# Altium PCB KK_Triangle_cubic_45.PcbDoc (part 2 of 2)
Units mil, origin at the board's own origin, x right, y up, seen from the top; angles counter-clockwise.
Board outline 3832.44 x 3832.44 mil, 4 copper layers (Top Layer, POWER, GND, Bottom Layer), stack 23.756 mil thick; 131 components, 100 nets, 491 pads, 151 vias.
Unrouted connection lines stored in the file: 340.
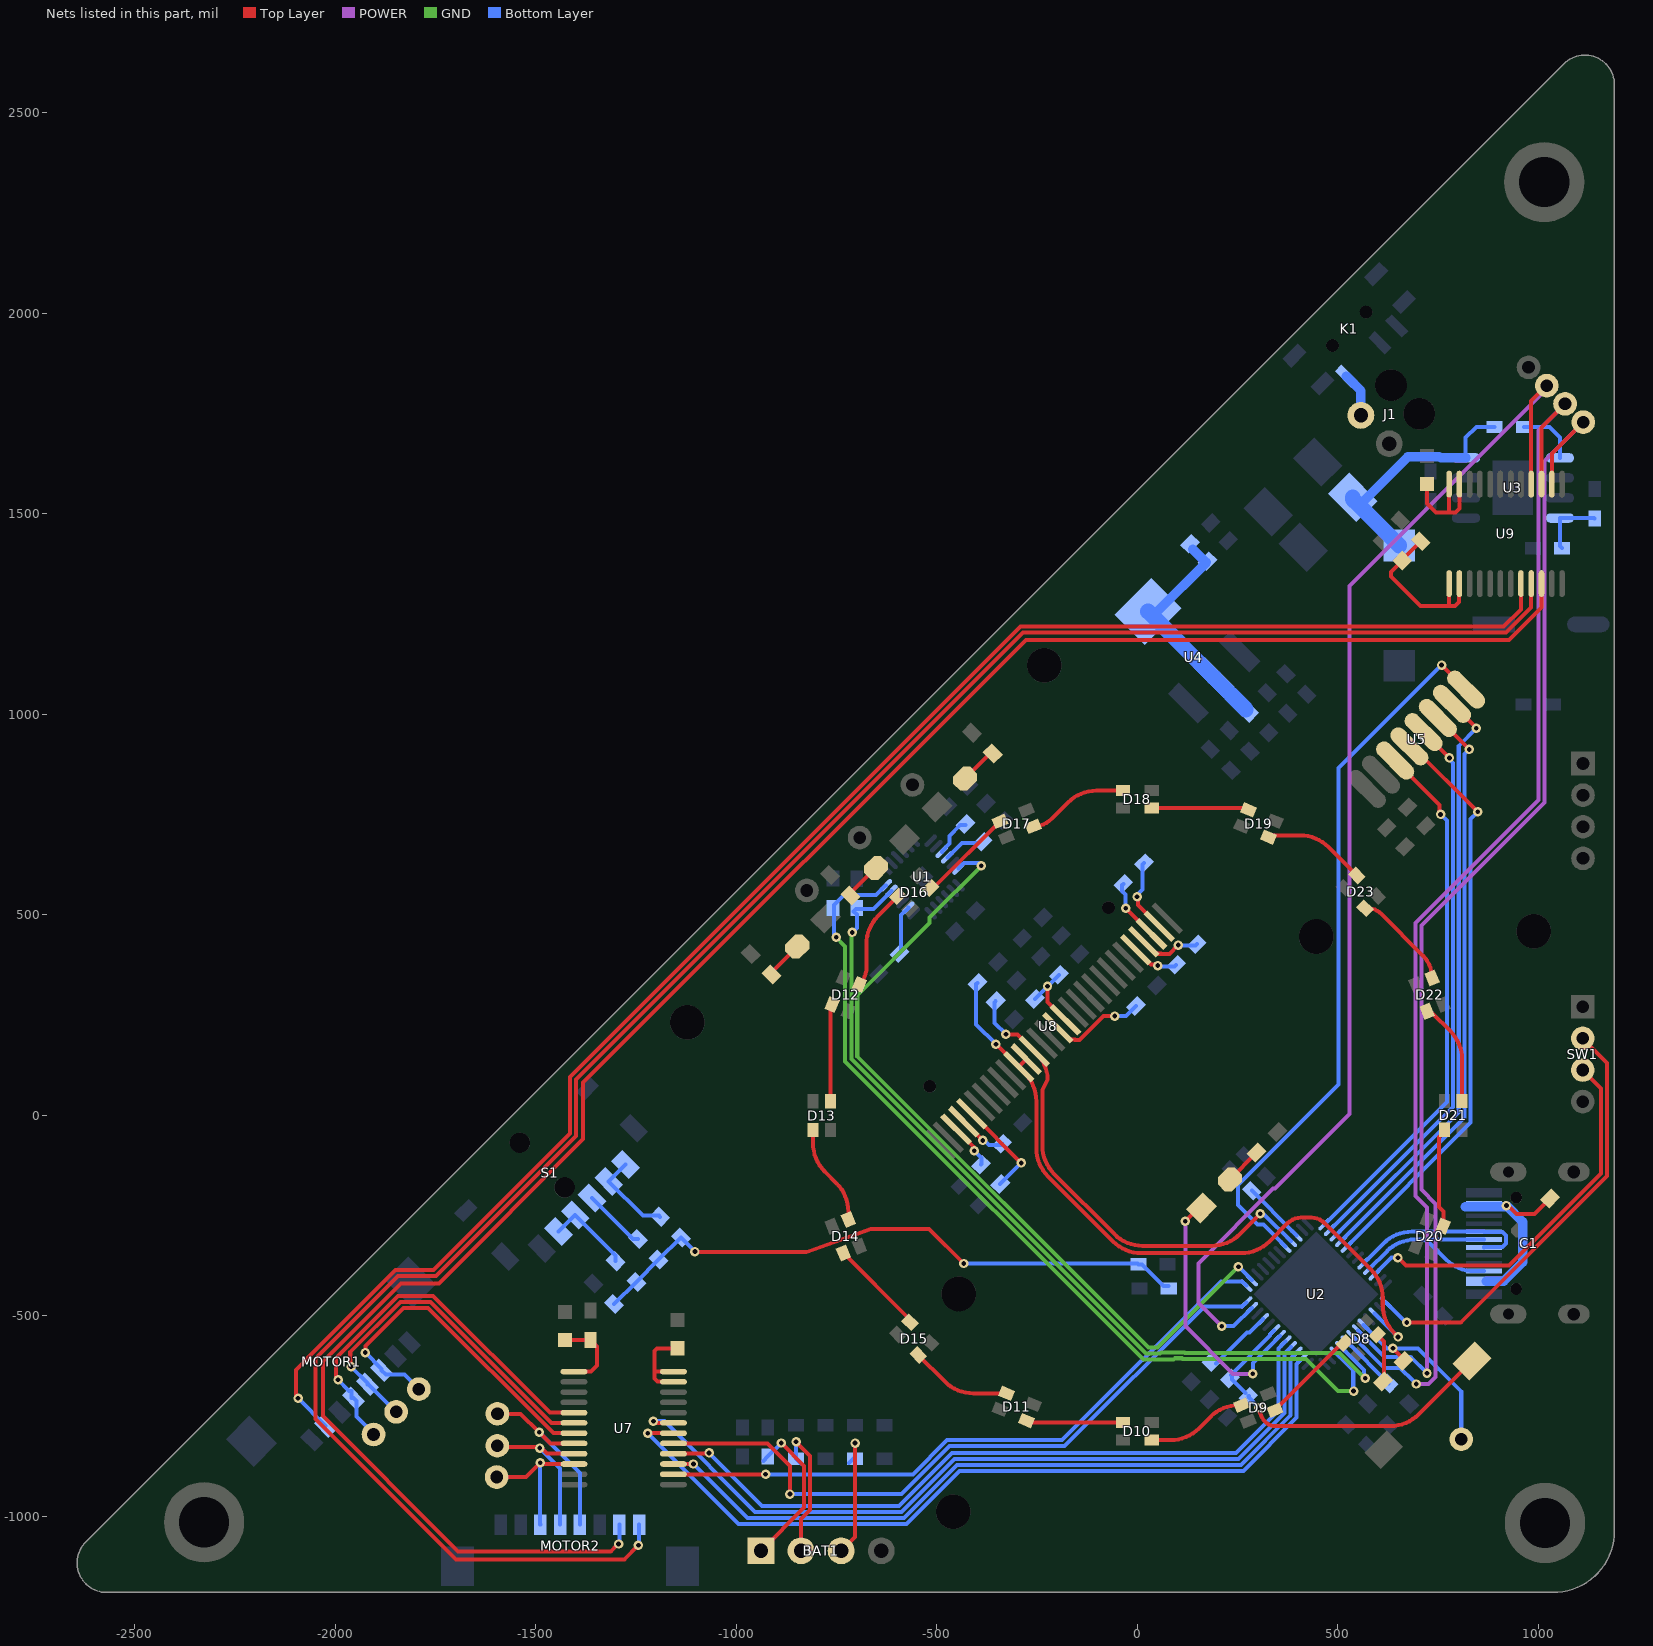
[diagram p4: the nets of this part, all layers, seen from the top]

## Via types
v1: diameter 23.62, hole 11.81, Top Layer to Bottom Layer, 126 vias
v2: diameter 19.68, hole 7.87, Top Layer to Bottom Layer, 25 vias

## Nets (pads, with @x,y where several pads share a name; then routed paths per layer and width w, separated by ;. In a path a pad name is that pad's centre, name@x,y a point inside that pad or via, vN(x,y) a via of type N, cw(c..) or ccw(c..) an arc to the next point about the centre after c; other vN are vias at no path point) (continued)
M1_B_3V3: M6.1 U2.11 U9.16 | length 3086.4
  Top Layer w10: U9.16@981.8,1573.58 981.8,1780.36 M6.1@1020.59,1819.15
  POWER w10: v1(210.01,-525.38) 152.03,-467.4 152.03,-368.78 338.43,-182.38 342.51,-182.38 528.92,4.02 528.92,1319.84 1020.59,1811.51 M6.1@1020.59,1819.15
  Bottom Layer w10: v1(210.01,-525.38) 240.19,-525.38 U2.11@285.35,-480.22
M1_B_5V: MOTOR1.2 U9.8 | length 4157.5
  Top Layer w10: v1(-2092.33,-704.99) -2097.99,-699.33 -2097.99,-634.27 -2056.97,-593.26 -1849.53,-385.82 -1754.78,-385.82 -1414.48,-45.52 -1414.48,95.9 -291.77,1218.61 913.14,1218.61 956.21,1261.68 U9.8@956.21,1325.55
  Bottom Layer w10: v1(-2092.33,-704.99) -2023.44,-773.88 MOTOR1.2@-2023.44,-774.69
M1_DIR_3V3: U2.2 U7.18 | length 2038.8
  Top Layer w10: v1(-1220.79,-792.28) U7.18@-1156.57,-792.28
  Bottom Layer w10: v1(-1220.79,-792.28) -994.84,-1018.23 -575.58,-1018.23 -458.91,-901.56 -443.31,-885.96 264.31,-885.96 396.57,-753.7 396.57,-619.66 410.62,-605.61 U2.2@410.62,-605.49
M1_DIR_5V: M9.1 MOTOR1.5 U7.6 | length 932.4
  Top Layer w10: v1@-1962.22,-624.38 -1962.22,-590.32 -1836.54,-464.64 -1762.32,-464.64 -1460.27,-766.69 U7.6@-1404.6,-766.69
  Bottom Layer w10: v1@-1962.22,-624.38 -1919.04,-667.55 MOTOR1.5@-1919.04,-670.29 -1916.3,-670.29 M9.1@-1847.67,-738.93
  other v1: -1960.1,-626.5
M1_PWM_3V3: U2.12 U7.17 | length 1719.4
  Top Layer w10: U7.17@-1156.57,-817.87 -921.81,-817.87 -866.21,-873.48 v1(-866.21,-943.99)
  Bottom Layer w10: v1(-866.21,-943.99) -587.61,-943.99 -468.26,-824.64 -181.17,-824.64 166.84,-476.63 261.1,-476.63 U2.12@271.43,-466.3
M1_PWM_5V: M5.1 MOTOR1.6 U7.7 | length 879
  Top Layer w10: v1(-1924.74,-591.14) -1924.74,-575.09 -1829.21,-479.56 -1768.5,-479.56 -1455.78,-792.28 U7.7@-1404.6,-792.28
  Bottom Layer w10: v1(-1924.74,-591.14) -1884.24,-631.64 MOTOR1.6@-1884.24,-635.49 -1873.44,-646.3 -1827.16,-646.3 M5.1@-1791.1,-682.36
M1_STOP_3V3: U2.4 U7.19 | length 1991
  Top Layer w10: v1(-1206.32,-762.26) -1201.89,-766.69 U7.19@-1156.57,-766.69
  Bottom Layer w10: v1(-1206.32,-762.26) -1179.23,-762.26 -953.1,-988.39 -588.54,-988.39 -456.26,-856.12 251.95,-856.12 366.73,-741.34 366.73,-593.82 382.78,-577.77 U2.4@382.78,-577.66
M1_STOP_5V: M12.1 MOTOR1.4 U7.5 | length 1013.9
  Top Layer w10: v1@-1997.58,-654.07 -1997.58,-604.58 -1842.72,-449.72 -1756.14,-449.72 -1464.76,-741.1 U7.5@-1404.6,-741.1
  Bottom Layer w10: v1@-1997.58,-654.07 v1(-1992.63,-659.02) -1964.94,-686.71 -1959.29,-686.71 -1959.29,-705.09 MOTOR1.4@-1953.84,-705.09 -1946.88,-712.05 -1946.88,-750.91 -1904.24,-793.56 M12.1@-1904.24,-795.5
M2_A_3V3: M8.1 U2.42 U9.15 | length 3023.7
  Top Layer w10: U9.15@1007.39,1573.59 1007.39,1714.97 M8.1@1066.08,1773.66
  POWER w10: v1(721.96,-642.76) 721.96,-230.19 693.08,-201.31 693.08,479.53 999.85,786.3 999.85,1707.43 M8.1@1066.08,1773.66
  Bottom Layer w10: U2.42@549.82,-535.9 616.19,-602.27 681.46,-602.27 v1(721.96,-642.76)
M2_A_5V: MOTOR2.1 U9.9 | length 5114.9
  Top Layer w10: v1(-1243.8,-1071.27) -1279.16,-1106.62 -1313.8,-1106.62 -1699.18,-1106.62 -2048.49,-757.31 -2048.49,-605.99 -1843.32,-400.82 -1748.56,-400.82 -1399.48,-51.73 -1399.48,89.69 -285.56,1203.61 919.35,1203.61 981.8,1266.06 U9.9@981.8,1325.55
  Bottom Layer w10: v1(-1243.8,-1071.27) -1242.13,-1069.6 MOTOR2.1@-1242.13,-1020.45
M2_B_3V3: M10.1 U2.43 U9.14 | length 3007.6
  Top Layer w10: U9.14@1032.98,1573.58 1032.98,1649.58 M10.1@1111.57,1728.17
  POWER w10: v1(695.09,-669.63) 699.9,-669.63 725.82,-669.63 743.69,-651.76 743.69,-220.39 708,-184.71 708,473.35 1014.77,780.12 1014.77,1631.37 M10.1@1111.57,1728.17 ; v1@699.9,-674.45 v1@702.54,-671.81
  Bottom Layer w10: U2.43@535.9,-549.82 615.41,-629.32 654.78,-629.32 v1@688.01,-662.56
M2_B_5V: MOTOR2.2 U9.10 | length 5028.2
  Top Layer w10: v1(-1293.3,-1068.44) -1295.9,-1071.04 -1297.05,-1071.04 -1312.83,-1086.82 -1693.52,-1086.82 -1706.96,-1073.39 -2030.49,-749.86 -2030.49,-613.45 -1835.86,-418.82 -1741.11,-418.82 -1381.48,-59.19 -1381.48,82.23 -278.1,1185.61 926.81,1185.61 1007.39,1266.19 U9.10@1007.39,1325.55
  Bottom Layer w10: v1(-1293.3,-1068.44) -1291.35,-1066.49 MOTOR2.2@-1291.35,-1020.45
M2_DIR_3V3: U2.3 U7.15 | length 1862
  Top Layer w10: U7.15@-1156.57,-869.05 v1(-1106.6,-869.05)
  Bottom Layer w10: v1(-1106.6,-869.05) -972.34,-1003.31 -582.36,-1003.31 -450.08,-871.04 258.13,-871.04 381.65,-747.52 381.65,-606.74 396.7,-591.69 U2.3@396.7,-591.58
M2_DIR_5V: M11.1 MOTOR2.5 U7.9 | length 411.2
  Top Layer w10: M11.1@-1595.47,-823.54 -1592.18,-826.83 -1488.79,-826.83 -1472.16,-843.46 U7.9@-1404.6,-843.46
  Bottom Layer w10: v1(-1489.87,-829.44) -1438.98,-880.33 MOTOR2.5@-1438.98,-1020.45
M2_PWM_3V3: U2.13 U7.14 | length 1631.3
  Top Layer w10: U7.14@-1156.57,-894.64 v1(-926.86,-894.64)
  Bottom Layer w10: v1(-926.86,-894.64) -559.48,-894.64 -474.47,-809.64 -187.38,-809.64 208.04,-414.21 261.1,-414.21 U2.13@271.43,-424.54
M2_PWM_5V: M7.1 MOTOR2.6 U7.10 | length 361.2
  Top Layer w10: M7.1@-1597.35,-901.56 -1523.82,-901.56 -1491.31,-869.05 U7.10@-1404.6,-869.05
  Bottom Layer w10: v1(-1488.46,-866.21) -1489.17,-866.91 -1489.17,-1019.48 MOTOR2.6@-1488.2,-1020.45
M2_STOP_3V3: U2.5 U7.16 | length 1841.1
  Top Layer w10: U7.16@-1156.57,-843.46 -1155.85,-842.74 -1069.01,-842.74 v1(-1067.73,-841.46)
  Bottom Layer w10: v1(-1067.73,-841.46) -935.72,-973.47 -594.72,-973.47 -462.44,-841.2 245.77,-841.2 351.81,-735.16 351.81,-580.79 U2.5@368.86,-563.74
M2_STOP_5V: M13.1 MOTOR2.4 U7.8 | length 493.9
  Top Layer w10: M13.1@-1595.23,-743.88 -1537.25,-743.88 v1(-1491.29,-789.84) -1463.25,-817.87 U7.8@-1404.6,-817.87
  Bottom Layer w10: v1(-1491.29,-789.84) -1389.77,-891.35 MOTOR2.4@-1389.77,-1020.45
MCU_STAT: D1.1 U2.6 | length 664.3
  Top Layer w10: v1(119.5,-263.75) 137.18,-246.07 137.18,-230.52 D1.1@159.8,-230.52
  POWER w10: v1(119.5,-263.75) 119.5,-525 238.67,-644.17 v1(287.79,-644.17)
  Bottom Layer w10: v1(287.79,-644.17) 287.79,-616.97 U2.6@354.95,-549.82
MPU6050_INT: U1.12 U2.14 | length 2051
  GND w10: v1(-388.91,622.25) -517.79,493.37 -517.79,479.61 -698.33,299.07 -698.33,146.67 27.31,-578.97 50.36,-578.97 v1(252.03,-377.3)
  Bottom Layer w10: U1.12@-445.9,615.35 -431.93,629.33 -395.98,629.33 v1(-388.91,622.25) ; v1(252.03,-377.3) U2.14@285.35,-410.62
MPU6050_SCL: R5.1 U1.23 U2.45 | length 2209.9
  GND w10: v1(-710.64,456.08) -713.25,453.48 -713.25,140.49 21.13,-593.89 56.54,-593.89 59.92,-590.51 117.67,-590.51 119.13,-591.96 504.28,-591.96 v1(567.81,-655.49)
  Bottom Layer w10: v1(-710.64,456.08) -699.36,467.37 -699.36,500.22 -707.81,508.68 -701.45,515.04 -657.56,515.04 -613.42,559.18 -612.93,559.18 U1.23@-612.93,559.67 ; U2.45@508.06,-577.66 565.2,-634.8 565.2,-652.88 v1(567.81,-655.49)
MPU6050_SDA: R10.1 U1.24 U2.46 | length 2276.5
  GND w10: v1(-750.95,444.06) -728.32,421.44 -728.32,134.46 14.95,-608.81 90.11,-608.81 93.49,-605.43 111.49,-605.43 112.95,-606.89 419.83,-606.89 500.25,-687.31 v1(538.82,-687.31)
  Bottom Layer w10: v1(-750.95,444.06) -756.6,449.72 -756.6,524.67 -731.79,549.49 -651.45,549.49 -627.34,573.59 U1.24@-626.85,573.59 ; U2.46@494.14,-591.58 538.11,-635.54 538.11,-686.6 v1(538.82,-687.31)
NetBAT1_1: BAT1.1 R2.2 | length 410.4
  Top Layer w10: BAT1.1@-938.42,-1085.41 -830.69,-977.67 -830.69,-873.68 v1(-887.66,-816.71)
  Bottom Layer w10: BAT1.1@-938.42,-1085.41 BAT1.1@-932.3,-1079.28 ; R2.2@-932.3,-861.35 R2.2@-921.55,-850.6 v1(-887.66,-816.71) v1@-887.66,-815.05
NetBAT1_2: BAT1.2 R6.2 | length 355
  Top Layer w10: v1(-850.82,-813.71) -815.77,-848.76 -815.77,-983.86 -838.42,-1006.51 BAT1.2@-838.42,-1085.41
  Bottom Layer w10: v1(-850.82,-813.71) R6.2@-850.82,-855.6 R6.2@-838.42,-867.99
NetBAT1_3: BAT1.3 R8.2 | length 340.9
  Top Layer w10: BAT1.3@-738.42,-1085.41 -703.82,-1050.8 v1(-703.82,-816.95)
  Bottom Layer w10: R8.2@-718.82,-866.35 -708.07,-855.6 R8.2@-703.82,-855.6 v1(-703.82,-816.95)
NetC2_1: C2.1 U1.20 | length 122.8
  Bottom Layer w10: C2.1@-592.91,404.11 -589.37,407.65 -589.37,499.23 -571.18,517.42 U1.20@-571.18,517.91
NetC6_1: C6.1 D4.K L1.1 U3.8 | length 624.7
  Bottom Layer w10: U3.8@818.12,1648.38 818.12,1689.28 844.99,1716.15 C6.1@890.52,1716.15
  Bottom Layer w23.62: D4.K@537.07,1540.41 545.91,1531.57 564.25,1531.57 674.54,1641.86 753.08,1641.86 755.82,1639.12 U3.8@819.21,1639.12
  Bottom Layer w39.37: D4.K@537.07,1540.41 537.07,1536.26 553,1520.33 L1.1@652.66,1420.67
NetC6_2: C6.2 U3.1 | length 151.6
  Bottom Layer w10: C6.2@963.52,1716.15 1027.43,1716.15 1053.21,1690.37 U3.1@1053.21,1639.12
NetC8_2: C8.2 U1.10 | length 89.4
  Bottom Layer w10: U1.10@-473.74,643.19 -473.25,643.19 -437.19,679.25 C8.2@-399.24,679.25
NetC11_1: C11.1 U2.22 | length 157.6
  Bottom Layer w10: C11.1@285.25,-187.81 386.38,-288.94 U2.22@396.7,-299.27
NetC17_2: C17.2 R19.1 R25.1 R26.1 R27.1 R28.2 | length 1535.2
  Top Layer w10: v1(-1103.09,-339.41) -1101.37,-341.13 -825.6,-341.13 -664.68,-282.84 -519.24,-282.84 v1(-432.86,-369.22)
  Bottom Layer w10: R19.1@-1304.26,-470.59 R27.1@-1248.85,-415.17 R26.1@-1193.44,-359.76 R25.1@-1138.02,-304.34 -1138.02,-304.48 v1(-1103.09,-339.41) ; v1(-432.86,-369.22) 0.38,-369.22 R28.2@2.39,-371.23 12.02,-371.23 65.5,-424.71 C17.2@77.78,-424.71
NetC22_1: C22.1 C23.1 FB2.1 U4.2 U4.4 | length 589.6
  Bottom Layer w23.62: U4.4@26.77,1255.92 49.6,1255.92 172.18,1378.51 170.76,1378.51 C23.1@137.53,1411.74
  Bottom Layer w39.37: U4.4@26.77,1255.92 U4.2@191.02,1091.67 270.36,1012.33 FB2.1@270.36,1011.85
NetC30_2: C30.2 FB3.1 U7.1 | length 197.6
  Top Layer w10: FB3.1@-1426.78,-560.08 -1364.28,-560.08 C30.2@-1363.78,-559.58 -1347.04,-576.32 -1347.04,-622.96 -1362.09,-638.01 -1403.88,-638.01 U7.1@-1404.6,-638.74
NetC32_2: C32.2 FB5.1 U9.1 U9.2 | length 424.8
  Top Layer w10: C32.2@706.75,1431.54 660.44,1385.22 FB5.1@660.44,1383.1 632.15,1354.82 632.15,1343.5 705.69,1269.96 791.96,1269.96 801.94,1279.95 801.94,1324.83 U9.2@802.67,1325.55 ; 777.08,1269.96 U9.1@777.08,1325.55
NetC35_1: C35.1 U8.27 | length 120.6
  Top Layer w10: U8.27@-432.52,-15.33 v1(-385.36,-62.5)
  Bottom Layer w10: v1(-385.36,-62.5) -381.67,-62.5 -370.27,-73.89 -341.18,-73.89 C35.1@-337.64,-70.36
NetC36_1: C36.1 U8.2 | length 187.3
  Top Layer w10: v1(-0.71,545.18) 1.9,542.57 1.9,524.52 U8.2@54.61,471.81
  Bottom Layer w10: v1(-0.71,545.18) -0.71,548.87 13.08,562.65 13.08,625.44 C36.1@16.62,628.97
NetC36_2: C36.2 U8.3 | length 157
  Top Layer w10: v1(-29.22,516.67) U8.3@35.13,452.32
  Bottom Layer w10: C36.2@-35,577.35 -38.54,573.82 -38.54,559.68 -29.22,550.36 v1(-29.22,516.67)
NetC37_1: C37.1 U8.4 | length 156.1
  Top Layer w10: U8.4@15.64,432.84 45.55,402.93 58.95,402.93 59.15,402.73 79.87,402.73 v1(101.78,424.64)
  Bottom Layer w10: v1(101.78,424.64) 103.21,423.2 144.6,423.2 C37.1@148.14,426.74
NetC37_2: C37.2 U8.5 | length 119.1
  Top Layer w10: U8.5@-3.84,413.35 33.34,376.17 48.1,376.17 v1(50.7,373.56)
  Bottom Layer w10: v1(50.7,373.56) 52.68,371.58 92.98,371.58 C37.2@96.52,375.12
NetC38_1: C38.1 U8.28 | length 115.1
  Top Layer w10: U8.28@-452.05,-34.77 -409.17,-77.65 -409.17,-85.8 v1(-406.57,-88.41)
  Bottom Layer w10: v1(-406.57,-88.41) -388.2,-106.77 -388.2,-120.92 C38.1@-389.97,-122.68
NetD1_2: D1.2 R1.2 | length 94.5
  Top Layer w10: D1.2@230.52,-159.81 R1.2@297.34,-92.99
NetD5_2: D5.2 R15.2 | length 105.7
  Top Layer w10: D5.2@-429.92,840.04 -367.7,902.27 R15.2@-360.62,902.27 ; R15.2@-370.6,901.48 R15.2@-370.6,912.09
NetD6_2: D6.2 R16.2 | length 72.6
  Top Layer w10: R16.2@-723.72,556.85 -713.12,556.85 D6.2@-669.28,600.69
NetD7_2: D7.2 R17.2 | length 96.7
  Top Layer w10: R17.2@-912.17,350.73 -912.17,356.38 D7.2@-847.82,420.73
NetD8_1: D8.1 D9.3 | length 242.2
  Top Layer w10: D9.3@342.8,-734.54 505.42,-571.92 cw(c516.42,-582.92) D8.1@516.42,-567.36
NetD9_1: D9.1 D10.3 | length 251.2
  Top Layer w10: D10.3@36.02,-809.37 82.59,-809.37 ccw(c82.59,-709.37) 153.3,-780.08 181.99,-751.39 cw(c252.7,-822.1) 252.7,-722.1 D9.1@259.66,-722.1
NetD10_1: D10.1 D11.3 | length 241.6
  Top Layer w10: D11.3@-276.23,-760.7 ccw(c-263.28,-747.74) -263.28,-766.06 D10.1@-36.02,-766.06
NetD11_1: D11.1 D15.3 | length 255.5
  Top Layer w10: D15.3@-546.33,-597.28 -479.78,-663.83 ccw(c-409.07,-593.11) -409.07,-693.11 D11.1@-326.22,-693.11
NetD12_1: D12.1 D16.3 | length 253
  Top Layer w10: D12.1@-693.11,326.22 ccw(c-736.16,369.26) -675.29,369.26 -675.29,427.8 cw(c-577.46,427.8) -646.63,496.98 D16.3@-597.28,546.33
NetD12_3: D12.3 D13.1 | length 242.2
  Top Layer w10: D13.1@-765.36,35.32 -765.36,264.98 cw(c-749.45,264.98) D12.3@-760.7,276.23
NetD13_3: D13.3 D14.1 | length 250.8
  Top Layer w10: D13.3@-808.66,-36.73 -808.66,-69.15 ccw(c-708.66,-69.15) -779.37,-139.86 ; -779.37,-139.86 -749.98,-169.26 cw(c-820.69,-239.97) -720.69,-239.97 D14.1@-720.69,-259.66
NetD14_3: D14.3 D15.1 | length 241.2
  Top Layer w10: D14.3@-733.13,-342.8 -571.21,-504.71 cw(c-582.21,-515.71) D15.1@-566.65,-515.71
NetD16_1: D16.1 D17.3 | length 241.2
  Top Layer w10: D16.1@-515.71,566.65 ccw(c-515.71,582.21) -504.71,571.21 D17.3@-342.8,733.13
NetD17_1: D17.1 D18.3 | length 253.2
  Top Layer w10: D17.1@-259.66,720.69 ccw(c-259.66,786.27) -213.29,739.9 -173.1,780.08 cw(c-102.39,709.37) -102.39,809.37 D18.3@-36.02,809.37
NetD18_1: D18.1 D19.3 | length 242.2
  Top Layer w10: D18.1@36.02,766.06 265.69,766.06 cw(c265.69,750.15) D19.3@276.94,761.4
NetD19_1: D19.1 D23.3 | length 258.3
  Top Layer w10: D19.1@326.93,693.82 cw(c336.8,683.95) 336.8,697.91 405.69,697.91 cw(c405.69,597.91) 476.4,668.62 D23.3@547.04,597.98
NetD20_3: D20.3 D21.1 | length 253.2
  Top Layer w10: D20.3@762.11,-276.23 ccw(c752.57,-266.69) 766.06,-266.69 762.97,-263.6 762.97,-239.59 751.72,-228.33 751.72,-54.31 766.06,-39.96 D21.1@766.06,-36.02
NetD21_3: D21.3 D22.1 | length 259.4
  Top Layer w10: D22.1@722.1,259.66 cw(c722.1,239.89) 736.08,253.87 780.08,209.87 cw(c709.37,139.16) 809.37,139.16 D21.3@809.37,36.02
NetD22_3: D22.3 D23.1 | length 252.8
  Top Layer w10: D23.1@567.36,516.42 573.42,516.42 cw(c573.42,467.35) 608.11,502.05 711.33,398.83 cw(c655.3,342.8) D22.3@734.54,342.8
NetFB1_2: FB1.2 U2.9 | length 163.5
  Bottom Layer w10: FB1.2@195.48,-618.63 241.99,-572.12 242.39,-572.12 272.83,-541.68 279.56,-541.68 U2.9@313.19,-508.06
NetFB4_1: FB4.1 U7.23 U7.24 | length 225.9
  Top Layer w10: -1203.5,-638.02 -1157.29,-638.02 U7.24@-1156.57,-638.74 ; U7.23@-1156.57,-664.33 -1157.3,-663.61 -1195.88,-663.61 -1203.5,-655.99 -1203.5,-586.9 -1197.13,-580.53 FB4.1@-1146.93,-580.53
NetFB6_1: FB6.1 U9.23 U9.24 | length 268.4
  Top Layer w10: FB6.1@721.96,1573.67 721.96,1525.23 743.88,1503.31 793.37,1503.31 802.67,1512.6 U9.23@802.67,1573.59 ; 777.08,1508.29 U9.24@777.08,1573.58
NetJ1_2: J1.2 K1.1 | length 112.4
  Bottom Layer w23.62: K1.1@521.14,1842.6 557.2,1806.54 J1.2@557.2,1745.14
NetR4_1: R4.1 U2.44 | length 147.2
  Bottom Layer w10: U2.44@521.98,-563.74 R4.1@626.09,-667.85
NetR12_2: R12.2 U1.9 | length 98.4
  Bottom Layer w10: U1.9@-487.66,657.11 -487.66,657.6 -467.92,677.34 -467.92,697.02 -441.58,723.35 R12.2@-428.49,723.35
NetR13_1: R13.1 R14.2 U3.4 | length 164.4
  Bottom Layer w10: R13.1@1058.98,1414.21 1053.21,1419.98 U3.4@1053.21,1489.12 1138.76,1489.12 R14.2@1139.86,1488.02
NetR21_1: R21.1 U8.26 | length 248.3
  Top Layer w10: U8.26@-413.04,4.16 -412.16,4.16 v1(-289.56,-118.44)
  Bottom Layer w10: R21.1@-341.89,-170.77 v1(-289.56,-118.44)
NetR22_2: R22.2 U8.15 | length 242.9
  Top Layer w10: U8.15@-198.7,218.5 -168.79,188.59 -155.39,188.59 -155.19,188.39 -144.03,188.39 -84.93,247.49 v1(-56.57,247.49)
  Bottom Layer w10: v1(-56.57,247.49) -28.28,247.49 R22.2@-3.18,272.59
NetR25_2: R25.2 S1.f S1.g | length 223.9
  Bottom Layer w10: S1.g@-1276.19,-122.65 S1.f@-1317.94,-164.4 -1232.63,-249.72 -1192.65,-249.72 R25.2@-1189.64,-252.72
NetR26_2: R26.2 S1.e | length 156.9
  Bottom Layer w10: S1.e@-1359.7,-206.16 -1257.73,-308.14 R26.2@-1245.05,-308.14
NetR27_2: R27.2 S1.c S1.d | length 216.5
  Bottom Layer w10: S1.c@-1443.22,-289.68 S1.d@-1401.46,-247.92 -1300.47,-348.91 R27.2@-1300.47,-363.55
NRF_CE: U2.25 U5.3 | length 1335.6
  Top Layer w10: U5.3@642.76,884.59 753.29,774.06 753.29,752.85 v1(755.9,750.24)
  Bottom Layer w10: U2.25@466.3,-271.43 771.27,33.54 771.27,734.87 v1(755.9,750.24)
NRF_IRQ: U2.20 U5.8 | length 1804
  Top Layer w10: v1(758.31,1122.6) U5.8@819.54,1061.37
  Bottom Layer w10: U2.20@368.86,-327.11 314.25,-272.49 299.85,-272.49 250.58,-223.22 250.58,-173.69 501.59,77.33 501.59,865.88 v1(758.31,1122.6)
NRF_MISO: U2.27 U5.7 | length 1495.8
  Top Layer w10: U5.7@784.18,1026.01 v1(844.99,965.2)
  Bottom Layer w10: U2.27@494.14,-299.27 801.11,7.7 801.11,921.32 v1(844.99,965.2)
NRF_MOSI: U2.28 U5.6 | length 1468.6
  Top Layer w10: U5.6@748.83,990.66 v1(827.31,912.17)
  Bottom Layer w10: U2.28@508.06,-313.19 816.03,-5.22 816.03,900.88 v1(827.31,912.17)
NRF_NSS: U2.29 U5.4 | length 1457
  Top Layer w10: U5.4@678.12,919.95 685.19,919.95 v1(848.53,756.6)
  Bottom Layer w10: U2.29@521.98,-327.11 830.95,-18.13 830.95,739.03 v1(848.53,756.6)
NRF_SCLK: U2.26 U5.5 | length 1397.5
  Top Layer w10: U5.5@713.47,955.3 v1(777.82,890.95)
  Bottom Layer w10: U2.26@480.22,-285.35 786.19,20.62 786.19,878.9 777.82,887.27 v1(777.82,890.95)
NRST: C4.2 R11.1 S2.1 U2.7 | length 876.6
  Top Layer w10: v1@300.52,-724.78 304.06,-728.32 ccw(c354.37,-728.32) 318.79,-763.9 319.51,-764.62 ccw(c342.84,-741.29) 342.84,-774.28 630.81,-774.28 ccw(c630.81,-674.28) 701.52,-744.99 S2.1@834.49,-612.02
  Bottom Layer w10: R11.1@232.97,-646.85 330.7,-549.12 330.7,-546.23 U2.7@341.03,-535.9 ; R11.1@236.2,-652.57 236.2,-658.72 C4.2@269.26,-691.78 ; C4.2@277.09,-701.36 cw(c280.05,-701.36) 277.96,-699.26 277.96,-703.51 302.07,-727.62 v1(302.07,-728.89)
OLED_SCL: R23.2 U2.21 U8.18 | length 1227.5
  Top Layer w10: v1(-327.8,202.53) -326.47,201.19 -298.3,201.19 U8.18@-257.15,160.04 -250.06,152.94 cw(c-313.62,89.38) -223.73,89.38 -236.88,62.63 -236.88,-75.25 ccw(c-136.88,-75.25) -207.59,-145.96 -57.57,-295.98 ccw(c13.14,-225.27) 13.14,-325.27 184.85,-325.27 ccw(c184.85,-225.27) 255.56,-295.98 v1(306.39,-245.15)
  Bottom Layer w10: R23.2@-353.12,284.54 -356.13,281.53 -356.13,230.86 v1(-327.8,202.53) ; v1(306.39,-245.15) 309,-247.76 317.35,-247.76 U2.21@382.78,-313.19
OLED_SDA: R24.2 U2.39 U8.19 U8.20 | length 1808.3
  Top Layer w10: v1(-352.69,177.64) U8.20@-296.12,121.07 ; U8.19@-276.64,140.55 U8.20@-296.12,121.07 ; v1(649.91,-552.17) 640.94,-543.19 cw(c711.65,-472.48) 611.65,-472.48 611.65,-455.08 ccw(c511.65,-455.08) 582.36,-384.37 466.69,-268.7 ccw(c433.87,-301.52) 433.87,-255.11 407.59,-255.11 ccw(c407.59,-301.52) 374.77,-268.7 329.44,-314.03 cw(c258.73,-243.32) 258.73,-343.32 9.97,-343.32 cw(c9.97,-243.32) -60.74,-314.03 -222.76,-152.01 cw(c-152.05,-81.3) -252.05,-81.3 -252.05,35.57 ccw(c-352.05,35.57) -281.34,106.28 U8.20@-296.12,121.07
  Bottom Layer w10: R24.2@-399.01,330.42 -402.02,327.41 -402.02,226.96 v1(-352.69,177.64) ; U2.39@591.58,-494.14 591.69,-494.14 649.72,-552.17 v1(649.91,-552.17)
RES: C31.2 R20.1 U8.14 | length 187.4
  Top Layer w10: v1(-224.07,321.81) -224.07,282.84 U8.14@-179.21,237.98
  Bottom Layer w10: R20.1@-255.62,290.27 v1(-224.07,321.81) C31.2@-195.52,350.37
RGB_3V3: R18.2 RGB_IO.1 U2.41 | length 476.7
  Top Layer w10: v1(637.1,-580.53) 658.67,-602.1 658.67,-612 R18.2@663.62,-612
  Bottom Layer w10: U2.41@563.74,-521.98 622.29,-580.53 v1(637.1,-580.53) 699.33,-580.53 807.33,-688.53 RGB_IO.1@807.33,-807.33
RGB_DIN: D8.3 R18.1 | length 123.9
  Top Layer w10: D8.3@599.14,-547.52 615.01,-563.39 615.01,-660.61 R18.1@612,-663.62
SWCLK: SW1.2 U2.37 | length 1091.9
  Top Layer w10: v1(671.75,-516.19) 806.1,-516.19 1171.12,-151.17 1171.12,130.92 SW1.2@1110.16,191.88
  Bottom Layer w10: U2.37@619.41,-466.3 619.53,-466.3 669.41,-516.19 v1(671.75,-516.19)
SWDIO: SW1.3 U2.34 | length 962.3
  Top Layer w10: v1(649.48,-354.61) 669.22,-374.36 926.72,-374.36 1156.12,-144.96 1156.12,67.18 SW1.3@1110.16,113.14
  Bottom Layer w10: U2.34@591.58,-396.7 633.67,-354.61 v1(649.48,-354.61)
USB_DM: C1.A7 C1.B7 U2.32 | length 466.2
  Bottom Layer w10: U2.32@563.74,-368.86 613.53,-319.07 cw(c684.25,-389.78) 684.25,-289.78 C1.B7@863.59,-289.78 864.49,-290.68 909.74,-290.68 918.51,-299.45 918.51,-319.48 909.75,-328.24 864.49,-328.24 C1.A7@863.59,-329.15
USB_DP: C1.A6 C1.B5 U2.33 | length 496.9
  Bottom Layer w10: U2.33@577.66,-382.78 621.68,-338.76 cw(c692.39,-409.47) 692.39,-309.47 705.45,-309.47 ; C1.B5@863.59,-388.21 839.75,-388.21 cw(c839.75,-288.21) 769.04,-358.92 729.59,-319.47 ccw(c705.45,-343.61) 705.48,-309.47 C1.A6@863.59,-309.47
VBUS: C1.A4 C1.A9 C1.B4 C1.B9 D3.A | length 506
  Top Layer w9.65: v1(920.04,-224.9) 923.82,-224.9 944.99,-246.07 989.95,-246.07 D3.A@1028.92,-207.1
  Bottom Layer w23.62: 817.69,-227.78 917.16,-227.78 v1(920.04,-224.9) 960.51,-265.37 960.51,-365.85 912.71,-413.66 C1.B4@869.35,-413.66
pads on no net: C1. C1.A5 C1.A8 C1.B6 C1.B8 D20.1 J1. K1. M14.1 M15.1 M16.1 M17.1 M18.1 M19.1 MOTOR1.0 MOTOR2.0 S1. U1.2 U1.3 U1.4 U1.5 U1.6 U1.7 U1.14 U1.15 U1.16 U1.17 U1.19 U1.21 U1.22 U1.25 U2.15 U2.38 U2.40 U2.49 U3.2 U3.3 U3.5 U7.3 U7.4 U7.20 U7.21 U8. U8.7 U8.13 U9.3 U9.4 U9.5 U9.6 U9.18 U9.19 U9.20 U9.21
copper on no net:
  other v2: 445.42,-567.91 414.8,-537.29 476.04,-537.29 384.18,-506.67 445.42,-506.67 506.67,-506.67 353.55,-476.04 414.8,-476.04 476.04,-476.04 537.29,-476.04 322.93,-445.42 384.18,-445.42 445.42,-445.42 506.67,-445.42 567.91,-445.42 353.55,-414.8 414.8,-414.8 476.04,-414.8 537.29,-414.8 384.18,-384.18 445.42,-384.18 506.67,-384.18 414.8,-353.55 476.04,-353.55 445.42,-322.93

## Polygon pours and split planes (outlines as drawn)
GND on Bottom Layer "NONET_L-01_P-001" (solid, remove dead copper, pour order 54): 1199.25,2609.22 1129.96,2684.18 1086.12,2648.82 -2680.64,-1110.86 -2629.73,-1201.37 1152.58,-1197.84 1197.13,-1133.49
+3.3 on Bottom Layer "NONET_L-01_P-001" (solid, remove dead copper, pour order 52): 409.06,1099.2 278.6,968.74 278.6,950.35 365.57,863.38 391.03,863.38 395.27,867.62 521.84,994.19 519.02,1033.79 445.83,1104.85
+5 on Bottom Layer "NONET_L-01_P-001" (solid, remove dead copper, pour order 50): 271.53,957.42 165.46,851.36 120.21,851.36 -7.78,979.34 -7.78,1030.25 81.32,1119.35 127.99,1119.35 270.11,977.22
+5 on Bottom Layer "NONET_L-01_P-001" (solid, remove dead copper, pour order 48): 1021.9,1451.69 1021.9,1168.98 880.35,1027.43 576.29,1027.43 499.22,1104.5 499.22,1179.45 503.46,1183.7 771.45,1451.69 870.45,1451.69
+12 on Bottom Layer "NONET_L-01_P-001" (solid, remove dead copper, pour order 40): -1581.99,-1066.44 -1565.8,-1050.25 -1565.8,-985.44 -1581.8,-969.44 -1639.8,-969.44 -1653.8,-983.44 -1653.8,-1048.44 -1635.8,-1066.44
+12 on Bottom Layer "NONET_L-01_P-001" (solid, remove dead copper, pour order 38): -1847.54,-532.32 -1847.54,-555.21 -1801.71,-601.04 -1779.08,-601.04 -1738.07,-560.03 -1738.07,-540.23 -1784.03,-494.27 -1809.49,-494.27
+3.3 on Bottom Layer "NONET_L-01_P-001" (solid, remove dead copper, pour order 18): -454.67,514.07 -411.54,557.2 -349.31,557.2 -153.44,361.33 -153.44,325.98 -344.36,135.06 -368.4,135.06 -454.67,221.32
+5 on Bottom Layer "NONET_L-01_P-001" (solid, remove dead copper, pour order 16): -535.99,425.68
no net on Bottom Layer "NONET_L-01_P-001" (solid, remove dead copper, pour order 0): 732.56,1677.26
+5 on POWER "NONET_L-01_P-001" (solid, remove dead copper, pour order 42): 1194.3,2518.01 1194.3,2604.27 1150.46,2648.11 1079.75,2648.11 1079.75,2641.04 -2722.36,-1161.07 -2694.15,-1189.28 1113.06,-1189.28 1190.77,-1111.57 1190.77,-1080.46
+12 on POWER "NONET_L-01_P-001" (solid, remove dead copper, pour order 36): 731.15,1665.24 731.15,1623.52 -1493.41,-601.04 -1493.41,-1035.2 -1532.3,-1074.1 -1619.98,-1074.1 -1964.34,-729.73 -1964.34,-589.73 -1695.64,-321.03 -1493.41,-321.03 583.36,1755.75 636.58,1755.75
GND on Top Layer "NONET_L-01_P-001" (solid, remove dead copper, pour order 46): -2606.4,-1049.35 -2612.05,-1049.35 -2742.87,-1180.16 -2727.31,-1195.72 1116.52,-1195.72 1194.3,-1117.94 1194.3,2642.46 1153.29,2642.46 1122.89,2672.86 1111.57,2661.55 1096.02,2661.55
+3.3 on GND "NONET_L-01_P-001" (solid, remove dead copper, pour order 56): 1196.42,2621.95 1154,2621.95 1092.48,2683.47 -2667.91,-1076.92 -2667.91,-1146.22 -2665.09,-1146.22 -2592.96,-1218.35 -2575.28,-1200.67 1200.67,-1200.67

## Keep-outs
Keep-Out Layer:
  circle w0: c0,0 r224.41
  lines w0: 1047.85,-1189.28 ccw(c1035.13,-1035.13) 1189.28,-1047.85 1189.28,2569.7 ; 1047.85,-1189.28 1047.85,-1189.28 ; 1047.85,-1189.28 -2569.7,-1189.28 cw(c-2569.36,-1115.39) -2621.24,-1062.78 1062.79,2621.24 cw(c1115.39,2569.36) 1189.28,2569.7 ; 1189.28,2569.7 1189.28,2569.71

## Other copper
POWER:
  pour cut-out: 661.14,1605.84

## Silkscreen, mask and mechanical layers (free items; w line width, h text height)
Top Overlay:
  drawing of 1092 lines, arcs and shapes, not listed
  text "V4.0" at -27.67,-1086.8 h118.11
Bottom Overlay:
  lines w0: -1614.29,-55.9 56.04,1614.43
  lines w5: -419.75,-418.18 -418.16,-418.18

## Text inside footprints (layer, text, board x,y; h text height)
U8: Top Overlay "0.96 OLED 128x64" at -427.8,235.47 h39.37 r45